# EAGLE board Mk4 Final a Panel score 2x5 (EAGLE 9.0.1), part 4 of 29 (continued)
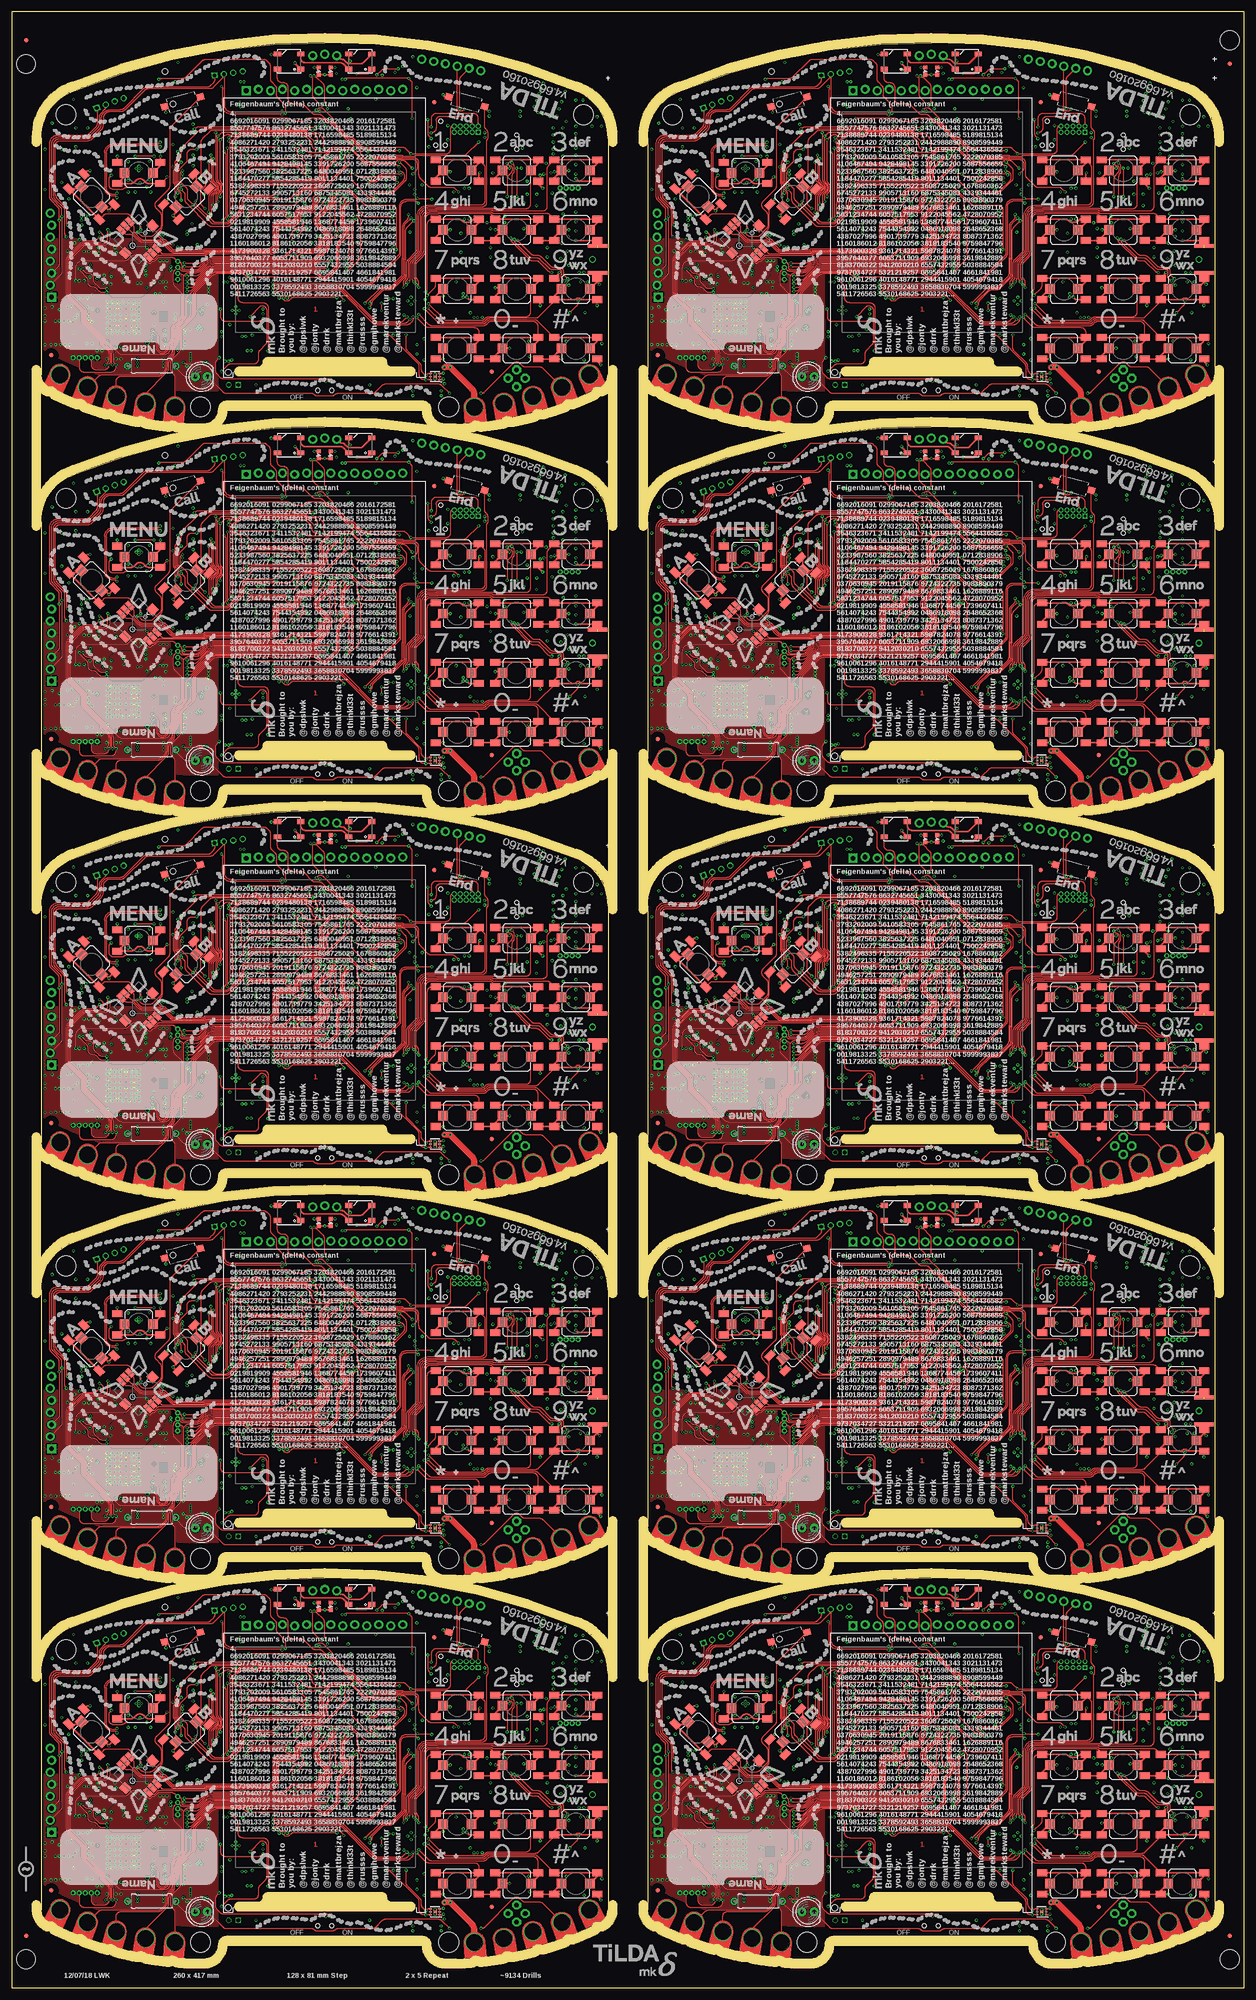
[diagram p0: board, top side]
## Placement (x,y rotation side) (continued)
S15  SKPMAPE010  [SKPMAPE010-COMBINED]  36.8,54 45 top
S16  3X6X2.5  [TACTILE_SWITCH_SMD_3X6X2.5H]  36,74 15 top
S17  3X6X2.5  [TACTILE_SWITCH_SMD_3X6X2.5H]  96,74 345 top
S18  CUS-12TB  [SWITCH-SPST-SMD-A]  66,13.1 180 bottom
S19  3X6X2.5  [TACTILE_SWITCH_SMD_3X6X2.5H]  78,14.25 180 bottom
S20  3X6X2.5  [TACTILE_SWITCH_SMD_3X6X2.5H]  54,14.25 180 bottom
S21  SKPMAPE010  [SKPMAPE010-COMBINED]  222,59.5 0 top
S22  AYZ0202AGRLC  [AYZ-JS-COMBINED]  106.5,65.5 90 bottom
S23  SKPMAPE010  [SKPMAPE010-COMBINED]  222,47 0 top
S24  SKPMAPE010  [SKPMAPE010-COMBINED]  222,34.5 0 top
S25  SKPMAPE010  [SKPMAPE010-COMBINED]  222,22 0 top
S26  SKPMAPE010  [SKPMAPE010-COMBINED]  234.5,59.5 0 top
S27  SKPMAPE010  [SKPMAPE010-COMBINED]  234.5,47 0 top
S28  SKPMAPE010  [SKPMAPE010-COMBINED]  234.5,34.5 0 top
S29  SKPMAPE010  [SKPMAPE010-COMBINED]  234.5,22 0 top
S30  SKPMAPE010  [SKPMAPE010-COMBINED]  247,59.5 0 top
S31  SKPMAPE010  [SKPMAPE010-COMBINED]  247,47 0 top
S32  SKPMAPE010  [SKPMAPE010-COMBINED]  247,34.5 180 top
S33  SKPMAPE010  [SKPMAPE010-COMBINED]  247,22 0 top
S34  SKPMAPE010  [SKPMAPE010-COMBINED]  164.8,54 45 top
S35  SKPMAPE010  [SKPMAPE010-COMBINED]  144.8,54 135 top
S36  SKPMAPE010  [SKPMAPE010-COMBINED]  154.8,59 180 top
S37  3X6X2.5  [TACTILE_SWITCH_SMD_3X6X2.5H]  164,74 15 top
S38  3X6X2.5  [TACTILE_SWITCH_SMD_3X6X2.5H]  224,74 345 top
S39  CUS-12TB  [SWITCH-SPST-SMD-A]  194,13.1 180 bottom
S40  3X6X2.5  [TACTILE_SWITCH_SMD_3X6X2.5H]  206,14.25 180 bottom
S41  3X6X2.5  [TACTILE_SWITCH_SMD_3X6X2.5H]  182,14.25 180 bottom
S42  AYZ0202AGRLC  [AYZ-JS-COMBINED]  234.5,65.5 90 bottom
S43  SKPMAPE010  [SKPMAPE010-COMBINED]  94,140.5 0 top
S44  SKPMAPE010  [SKPMAPE010-COMBINED]  94,128 0 top
S45  SKPMAPE010  [SKPMAPE010-COMBINED]  94,115.5 0 top
S46  SKPMAPE010  [SKPMAPE010-COMBINED]  94,103 0 top
S47  SKPMAPE010  [SKPMAPE010-COMBINED]  106.5,140.5 0 top
S48  SKPMAPE010  [SKPMAPE010-COMBINED]  106.5,128 0 top
S49  SKPMAPE010  [SKPMAPE010-COMBINED]  106.5,115.5 0 top
S50  SKPMAPE010  [SKPMAPE010-COMBINED]  106.5,103 0 top
S51  SKPMAPE010  [SKPMAPE010-COMBINED]  119,140.5 0 top
S52  SKPMAPE010  [SKPMAPE010-COMBINED]  119,128 0 top
S53  SKPMAPE010  [SKPMAPE010-COMBINED]  119,115.5 180 top
S54  SKPMAPE010  [SKPMAPE010-COMBINED]  119,103 0 top
S55  SKPMAPE010  [SKPMAPE010-COMBINED]  36.8,135 45 top
S56  SKPMAPE010  [SKPMAPE010-COMBINED]  16.8,135 135 top
S57  SKPMAPE010  [SKPMAPE010-COMBINED]  26.8,140 180 top
S58  3X6X2.5  [TACTILE_SWITCH_SMD_3X6X2.5H]  36,155 15 top
S59  3X6X2.5  [TACTILE_SWITCH_SMD_3X6X2.5H]  96,155 345 top
S60  CUS-12TB  [SWITCH-SPST-SMD-A]  66,94.1 180 bottom
S61  3X6X2.5  [TACTILE_SWITCH_SMD_3X6X2.5H]  78,95.25 180 bottom
S62  3X6X2.5  [TACTILE_SWITCH_SMD_3X6X2.5H]  54,95.25 180 bottom
S63  AYZ0202AGRLC  [AYZ-JS-COMBINED]  106.5,146.5 90 bottom
S64  SKPMAPE010  [SKPMAPE010-COMBINED]  222,140.5 0 top
S65  SKPMAPE010  [SKPMAPE010-COMBINED]  222,128 0 top
S66  SKPMAPE010  [SKPMAPE010-COMBINED]  222,115.5 0 top
S67  SKPMAPE010  [SKPMAPE010-COMBINED]  222,103 0 top
S68  SKPMAPE010  [SKPMAPE010-COMBINED]  234.5,140.5 0 top
S69  SKPMAPE010  [SKPMAPE010-COMBINED]  234.5,128 0 top
S70  SKPMAPE010  [SKPMAPE010-COMBINED]  234.5,115.5 0 top
S71  SKPMAPE010  [SKPMAPE010-COMBINED]  234.5,103 0 top
S72  SKPMAPE010  [SKPMAPE010-COMBINED]  247,140.5 0 top
S73  SKPMAPE010  [SKPMAPE010-COMBINED]  247,128 0 top
S74  SKPMAPE010  [SKPMAPE010-COMBINED]  247,115.5 180 top
S75  SKPMAPE010  [SKPMAPE010-COMBINED]  247,103 0 top
S76  SKPMAPE010  [SKPMAPE010-COMBINED]  164.8,135 45 top
S77  SKPMAPE010  [SKPMAPE010-COMBINED]  144.8,135 135 top
S78  SKPMAPE010  [SKPMAPE010-COMBINED]  154.8,140 180 top
S79  3X6X2.5  [TACTILE_SWITCH_SMD_3X6X2.5H]  164,155 15 top
S80  3X6X2.5  [TACTILE_SWITCH_SMD_3X6X2.5H]  224,155 345 top
S81  CUS-12TB  [SWITCH-SPST-SMD-A]  194,94.1 180 bottom
S82  3X6X2.5  [TACTILE_SWITCH_SMD_3X6X2.5H]  206,95.25 180 bottom
S83  3X6X2.5  [TACTILE_SWITCH_SMD_3X6X2.5H]  182,95.25 180 bottom
S84  AYZ0202AGRLC  [AYZ-JS-COMBINED]  234.5,146.5 90 bottom
S85  SKPMAPE010  [SKPMAPE010-COMBINED]  94,221.5 0 top
S86  SKPMAPE010  [SKPMAPE010-COMBINED]  94,209 0 top
S87  SKPMAPE010  [SKPMAPE010-COMBINED]  94,196.5 0 top
S88  SKPMAPE010  [SKPMAPE010-COMBINED]  94,184 0 top
S89  SKPMAPE010  [SKPMAPE010-COMBINED]  106.5,221.5 0 top
S90  SKPMAPE010  [SKPMAPE010-COMBINED]  106.5,209 0 top
S91  SKPMAPE010  [SKPMAPE010-COMBINED]  106.5,196.5 0 top
S92  SKPMAPE010  [SKPMAPE010-COMBINED]  106.5,184 0 top
S93  SKPMAPE010  [SKPMAPE010-COMBINED]  119,221.5 0 top
S94  SKPMAPE010  [SKPMAPE010-COMBINED]  119,209 0 top
S95  SKPMAPE010  [SKPMAPE010-COMBINED]  119,196.5 180 top
S96  SKPMAPE010  [SKPMAPE010-COMBINED]  119,184 0 top
S97  SKPMAPE010  [SKPMAPE010-COMBINED]  36.8,216 45 top
S98  SKPMAPE010  [SKPMAPE010-COMBINED]  16.8,216 135 top
S99  SKPMAPE010  [SKPMAPE010-COMBINED]  26.8,221 180 top
S100  3X6X2.5  [TACTILE_SWITCH_SMD_3X6X2.5H]  36,236 15 top
S101  3X6X2.5  [TACTILE_SWITCH_SMD_3X6X2.5H]  96,236 345 top
S102  CUS-12TB  [SWITCH-SPST-SMD-A]  66,175.1 180 bottom
S103  3X6X2.5  [TACTILE_SWITCH_SMD_3X6X2.5H]  78,176.25 180 bottom
S104  3X6X2.5  [TACTILE_SWITCH_SMD_3X6X2.5H]  54,176.25 180 bottom
S105  AYZ0202AGRLC  [AYZ-JS-COMBINED]  106.5,227.5 90 bottom
S106  SKPMAPE010  [SKPMAPE010-COMBINED]  222,221.5 0 top
S107  SKPMAPE010  [SKPMAPE010-COMBINED]  222,209 0 top
S108  SKPMAPE010  [SKPMAPE010-COMBINED]  222,196.5 0 top
S109  SKPMAPE010  [SKPMAPE010-COMBINED]  222,184 0 top
S110  SKPMAPE010  [SKPMAPE010-COMBINED]  234.5,221.5 0 top
S111  SKPMAPE010  [SKPMAPE010-COMBINED]  234.5,209 0 top
S112  SKPMAPE010  [SKPMAPE010-COMBINED]  234.5,196.5 0 top
S113  SKPMAPE010  [SKPMAPE010-COMBINED]  234.5,184 0 top
S114  SKPMAPE010  [SKPMAPE010-COMBINED]  247,221.5 0 top
S115  SKPMAPE010  [SKPMAPE010-COMBINED]  247,209 0 top
S116  SKPMAPE010  [SKPMAPE010-COMBINED]  247,196.5 180 top
S117  SKPMAPE010  [SKPMAPE010-COMBINED]  247,184 0 top
S118  SKPMAPE010  [SKPMAPE010-COMBINED]  164.8,216 45 top
S119  SKPMAPE010  [SKPMAPE010-COMBINED]  144.8,216 135 top
S120  SKPMAPE010  [SKPMAPE010-COMBINED]  154.8,221 180 top
S121  3X6X2.5  [TACTILE_SWITCH_SMD_3X6X2.5H]  164,236 15 top
S122  3X6X2.5  [TACTILE_SWITCH_SMD_3X6X2.5H]  224,236 345 top
S123  CUS-12TB  [SWITCH-SPST-SMD-A]  194,175.1 180 bottom
S124  3X6X2.5  [TACTILE_SWITCH_SMD_3X6X2.5H]  206,176.25 180 bottom
S125  3X6X2.5  [TACTILE_SWITCH_SMD_3X6X2.5H]  182,176.25 180 bottom
S126  AYZ0202AGRLC  [AYZ-JS-COMBINED]  234.5,227.5 90 bottom
S127  SKPMAPE010  [SKPMAPE010-COMBINED]  94,302.5 0 top
S128  SKPMAPE010  [SKPMAPE010-COMBINED]  94,290 0 top
S129  SKPMAPE010  [SKPMAPE010-COMBINED]  94,277.5 0 top
S130  SKPMAPE010  [SKPMAPE010-COMBINED]  94,265 0 top
S131  SKPMAPE010  [SKPMAPE010-COMBINED]  106.5,302.5 0 top
S132  SKPMAPE010  [SKPMAPE010-COMBINED]  106.5,290 0 top
S133  SKPMAPE010  [SKPMAPE010-COMBINED]  106.5,277.5 0 top
S134  SKPMAPE010  [SKPMAPE010-COMBINED]  106.5,265 0 top
S135  SKPMAPE010  [SKPMAPE010-COMBINED]  119,302.5 0 top
S136  SKPMAPE010  [SKPMAPE010-COMBINED]  119,290 0 top
S137  SKPMAPE010  [SKPMAPE010-COMBINED]  119,277.5 180 top
S138  SKPMAPE010  [SKPMAPE010-COMBINED]  119,265 0 top
S139  SKPMAPE010  [SKPMAPE010-COMBINED]  36.8,297 45 top
S140  SKPMAPE010  [SKPMAPE010-COMBINED]  16.8,297 135 top
S141  SKPMAPE010  [SKPMAPE010-COMBINED]  26.8,302 180 top
S142  3X6X2.5  [TACTILE_SWITCH_SMD_3X6X2.5H]  36,317 15 top
S143  3X6X2.5  [TACTILE_SWITCH_SMD_3X6X2.5H]  96,317 345 top
S144  CUS-12TB  [SWITCH-SPST-SMD-A]  66,256.1 180 bottom
S145  3X6X2.5  [TACTILE_SWITCH_SMD_3X6X2.5H]  78,257.25 180 bottom
S146  3X6X2.5  [TACTILE_SWITCH_SMD_3X6X2.5H]  54,257.25 180 bottom
S147  AYZ0202AGRLC  [AYZ-JS-COMBINED]  106.5,308.5 90 bottom
S148  SKPMAPE010  [SKPMAPE010-COMBINED]  222,302.5 0 top
S149  SKPMAPE010  [SKPMAPE010-COMBINED]  222,290 0 top
S150  SKPMAPE010  [SKPMAPE010-COMBINED]  222,277.5 0 top
S151  SKPMAPE010  [SKPMAPE010-COMBINED]  222,265 0 top
S152  SKPMAPE010  [SKPMAPE010-COMBINED]  234.5,302.5 0 top
S153  SKPMAPE010  [SKPMAPE010-COMBINED]  234.5,290 0 top
S154  SKPMAPE010  [SKPMAPE010-COMBINED]  234.5,277.5 0 top
S155  SKPMAPE010  [SKPMAPE010-COMBINED]  234.5,265 0 top
S156  SKPMAPE010  [SKPMAPE010-COMBINED]  247,302.5 0 top
S157  SKPMAPE010  [SKPMAPE010-COMBINED]  247,290 0 top
S158  SKPMAPE010  [SKPMAPE010-COMBINED]  247,277.5 180 top
S159  SKPMAPE010  [SKPMAPE010-COMBINED]  247,265 0 top
S160  SKPMAPE010  [SKPMAPE010-COMBINED]  164.8,297 45 top
S161  SKPMAPE010  [SKPMAPE010-COMBINED]  144.8,297 135 top
S162  SKPMAPE010  [SKPMAPE010-COMBINED]  154.8,302 180 top
S163  3X6X2.5  [TACTILE_SWITCH_SMD_3X6X2.5H]  164,317 15 top
S164  3X6X2.5  [TACTILE_SWITCH_SMD_3X6X2.5H]  224,317 345 top
S165  CUS-12TB  [SWITCH-SPST-SMD-A]  194,256.1 180 bottom
S166  3X6X2.5  [TACTILE_SWITCH_SMD_3X6X2.5H]  206,257.25 180 bottom
S167  3X6X2.5  [TACTILE_SWITCH_SMD_3X6X2.5H]  182,257.25 180 bottom
S168  AYZ0202AGRLC  [AYZ-JS-COMBINED]  234.5,308.5 90 bottom
S169  SKPMAPE010  [SKPMAPE010-COMBINED]  94,383.5 0 top
S170  SKPMAPE010  [SKPMAPE010-COMBINED]  94,371 0 top
S171  SKPMAPE010  [SKPMAPE010-COMBINED]  94,358.5 0 top
S172  SKPMAPE010  [SKPMAPE010-COMBINED]  94,346 0 top
S173  SKPMAPE010  [SKPMAPE010-COMBINED]  106.5,383.5 0 top
S174  SKPMAPE010  [SKPMAPE010-COMBINED]  106.5,371 0 top
S175  SKPMAPE010  [SKPMAPE010-COMBINED]  106.5,358.5 0 top
S176  SKPMAPE010  [SKPMAPE010-COMBINED]  106.5,346 0 top
S177  SKPMAPE010  [SKPMAPE010-COMBINED]  119,383.5 0 top
S178  SKPMAPE010  [SKPMAPE010-COMBINED]  119,371 0 top
S179  SKPMAPE010  [SKPMAPE010-COMBINED]  119,358.5 180 top
S180  SKPMAPE010  [SKPMAPE010-COMBINED]  119,346 0 top
S181  SKPMAPE010  [SKPMAPE010-COMBINED]  36.8,378 45 top
S182  SKPMAPE010  [SKPMAPE010-COMBINED]  16.8,378 135 top
S183  SKPMAPE010  [SKPMAPE010-COMBINED]  26.8,383 180 top
S184  3X6X2.5  [TACTILE_SWITCH_SMD_3X6X2.5H]  36,398 15 top
S185  3X6X2.5  [TACTILE_SWITCH_SMD_3X6X2.5H]  96,398 345 top
S186  CUS-12TB  [SWITCH-SPST-SMD-A]  66,337.1 180 bottom
S187  3X6X2.5  [TACTILE_SWITCH_SMD_3X6X2.5H]  78,338.25 180 bottom
S188  3X6X2.5  [TACTILE_SWITCH_SMD_3X6X2.5H]  54,338.25 180 bottom
S189  AYZ0202AGRLC  [AYZ-JS-COMBINED]  106.5,389.5 90 bottom
S190  SKPMAPE010  [SKPMAPE010-COMBINED]  222,383.5 0 top
S191  SKPMAPE010  [SKPMAPE010-COMBINED]  222,371 0 top
S192  SKPMAPE010  [SKPMAPE010-COMBINED]  222,358.5 0 top
S193  SKPMAPE010  [SKPMAPE010-COMBINED]  222,346 0 top
S194  SKPMAPE010  [SKPMAPE010-COMBINED]  234.5,383.5 0 top
S195  SKPMAPE010  [SKPMAPE010-COMBINED]  234.5,371 0 top
S196  SKPMAPE010  [SKPMAPE010-COMBINED]  234.5,358.5 0 top
S197  SKPMAPE010  [SKPMAPE010-COMBINED]  234.5,346 0 top
S198  SKPMAPE010  [SKPMAPE010-COMBINED]  247,383.5 0 top
S199  SKPMAPE010  [SKPMAPE010-COMBINED]  247,371 0 top
S200  SKPMAPE010  [SKPMAPE010-COMBINED]  247,358.5 180 top
S201  SKPMAPE010  [SKPMAPE010-COMBINED]  247,346 0 top
S202  SKPMAPE010  [SKPMAPE010-COMBINED]  164.8,378 45 top
S203  SKPMAPE010  [SKPMAPE010-COMBINED]  144.8,378 135 top
S204  SKPMAPE010  [SKPMAPE010-COMBINED]  154.8,383 180 top
S205  3X6X2.5  [TACTILE_SWITCH_SMD_3X6X2.5H]  164,398 15 top
S206  3X6X2.5  [TACTILE_SWITCH_SMD_3X6X2.5H]  224,398 345 top
S207  CUS-12TB  [SWITCH-SPST-SMD-A]  194,337.1 180 bottom
S208  3X6X2.5  [TACTILE_SWITCH_SMD_3X6X2.5H]  206,338.25 180 bottom
S209  3X6X2.5  [TACTILE_SWITCH_SMD_3X6X2.5H]  182,338.25 180 bottom
S210  AYZ0202AGRLC  [AYZ-JS-COMBINED]  234.5,389.5 90 bottom
SW1  JOYSTICK  [JOYSTICK_MULTICOMP_NOSILK]  26.8,45 315 top
SW2  JOYSTICK  [JOYSTICK_MULTICOMP_NOSILK]  154.8,45 315 top
SW3  JOYSTICK  [JOYSTICK_MULTICOMP_NOSILK]  26.8,126 315 top
SW4  JOYSTICK  [JOYSTICK_MULTICOMP_NOSILK]  154.8,126 315 top
SW5  JOYSTICK  [JOYSTICK_MULTICOMP_NOSILK]  26.8,207 315 top
SW6  JOYSTICK  [JOYSTICK_MULTICOMP_NOSILK]  154.8,207 315 top
SW7  JOYSTICK  [JOYSTICK_MULTICOMP_NOSILK]  26.8,288 315 top
SW8  JOYSTICK  [JOYSTICK_MULTICOMP_NOSILK]  154.8,288 315 top
SW9  JOYSTICK  [JOYSTICK_MULTICOMP_NOSILK]  26.8,369 315 top
SW10  JOYSTICK  [JOYSTICK_MULTICOMP_NOSILK]  154.8,369 315 top
TP1  TP  [B1,27]  58.4,66.7 0 bottom
TP2  TP  [B1,27]  94,47.5 0 bottom
TP3  TP  [B1,27]  93.5,45.75 0 bottom
TP4  TP  [B1,27]  92.25,44.5 0 bottom
TP5  TP  [B1,27]  93.75,43.25 0 bottom
TP6  TP  [B1,27]  84,82 270 bottom
TP7  TP  [B1,27]  69.75,80 0 bottom
TP8  TP  [B1,27]  93.75,41.25 0 bottom
TP9  TP  [B1,27]  93.75,39.25 0 bottom
TP10  TP  [B1,27]  94,49.25 0 bottom
TP11  TP  [B1,27]  92,38.5 0 bottom
TP12  TP  [B1,27]  92.5,36.75 0 bottom
TP13  TP  [B1,27]  92.5,35 0 bottom
TP14  TP  [B1,27]  50,23 0 bottom
TP15  TP  [B1,27]  48,19.5 0 bottom
TP16  TP  [B1,27]  39.5,28 0 bottom
TP17  TP  [B1,27]  37.75,28 0 bottom
TP18  TP  [B1,27]  52,21.5 0 bottom
TP19  TP  [P1-06-OCT-CAN]  28.6,23.2 0 bottom
TP20  TP  [B1,27]  186.4,66.7 0 bottom
TP21  TP  [B1,27]  222,47.5 0 bottom
TP22  TP  [B1,27]  221.5,45.75 0 bottom
TP23  TP  [B1,27]  220.25,44.5 0 bottom
TP24  TP  [B1,27]  221.75,43.25 0 bottom
TP25  TP  [B1,27]  212,82 270 bottom
TP26  TP  [B1,27]  197.75,80 0 bottom
TP27  TP  [B1,27]  221.75,41.25 0 bottom
TP28  TP  [B1,27]  221.75,39.25 0 bottom
TP29  TP  [B1,27]  222,49.25 0 bottom
TP30  TP  [B1,27]  220,38.5 0 bottom
TP31  TP  [B1,27]  220.5,36.75 0 bottom
TP32  TP  [B1,27]  220.5,35 0 bottom
TP33  TP  [B1,27]  178,23 0 bottom
TP34  TP  [B1,27]  176,19.5 0 bottom
TP35  TP  [B1,27]  167.5,28 0 bottom
TP36  TP  [B1,27]  165.75,28 0 bottom
TP37  TP  [B1,27]  180,21.5 0 bottom
TP38  TP  [P1-06-OCT-CAN]  156.6,23.2 0 bottom
TP39  TP  [B1,27]  58.4,147.7 0 bottom
TP40  TP  [B1,27]  94,128.5 0 bottom
TP41  TP  [B1,27]  93.5,126.75 0 bottom
TP42  TP  [B1,27]  92.25,125.5 0 bottom
TP43  TP  [B1,27]  93.75,124.25 0 bottom
TP44  TP  [B1,27]  84,163 270 bottom
TP45  TP  [B1,27]  69.75,161 0 bottom
TP46  TP  [B1,27]  93.75,122.25 0 bottom
TP47  TP  [B1,27]  93.75,120.25 0 bottom
TP48  TP  [B1,27]  94,130.25 0 bottom
TP49  TP  [B1,27]  92,119.5 0 bottom
TP50  TP  [B1,27]  92.5,117.75 0 bottom
TP51  TP  [B1,27]  92.5,116 0 bottom
TP52  TP  [B1,27]  50,104 0 bottom
TP53  TP  [B1,27]  48,100.5 0 bottom
TP54  TP  [B1,27]  39.5,109 0 bottom
TP55  TP  [B1,27]  37.75,109 0 bottom
TP56  TP  [B1,27]  52,102.5 0 bottom
TP57  TP  [P1-06-OCT-CAN]  28.6,104.2 0 bottom
TP58  TP  [B1,27]  186.4,147.7 0 bottom
TP59  TP  [B1,27]  222,128.5 0 bottom
TP60  TP  [B1,27]  221.5,126.75 0 bottom
TP61  TP  [B1,27]  220.25,125.5 0 bottom
TP62  TP  [B1,27]  221.75,124.25 0 bottom
TP63  TP  [B1,27]  212,163 270 bottom
TP64  TP  [B1,27]  197.75,161 0 bottom
TP65  TP  [B1,27]  221.75,122.25 0 bottom
TP66  TP  [B1,27]  221.75,120.25 0 bottom
TP67  TP  [B1,27]  222,130.25 0 bottom
TP68  TP  [B1,27]  220,119.5 0 bottom
TP69  TP  [B1,27]  220.5,117.75 0 bottom
TP70  TP  [B1,27]  220.5,116 0 bottom
TP71  TP  [B1,27]  178,104 0 bottom
TP72  TP  [B1,27]  176,100.5 0 bottom
TP73  TP  [B1,27]  167.5,109 0 bottom
TP74  TP  [B1,27]  165.75,109 0 bottom
TP75  TP  [B1,27]  180,102.5 0 bottom
TP76  TP  [P1-06-OCT-CAN]  156.6,104.2 0 bottom
TP77  TP  [B1,27]  58.4,228.7 0 bottom
TP78  TP  [B1,27]  94,209.5 0 bottom
TP79  TP  [B1,27]  93.5,207.75 0 bottom
TP80  TP  [B1,27]  92.25,206.5 0 bottom
TP81  TP  [B1,27]  93.75,205.25 0 bottom
TP82  TP  [B1,27]  84,244 270 bottom
TP83  TP  [B1,27]  69.75,242 0 bottom
TP84  TP  [B1,27]  93.75,203.25 0 bottom
TP85  TP  [B1,27]  93.75,201.25 0 bottom
TP86  TP  [B1,27]  94,211.25 0 bottom
TP87  TP  [B1,27]  92,200.5 0 bottom
TP88  TP  [B1,27]  92.5,198.75 0 bottom
TP89  TP  [B1,27]  92.5,197 0 bottom
TP90  TP  [B1,27]  50,185 0 bottom
TP91  TP  [B1,27]  48,181.5 0 bottom
TP92  TP  [B1,27]  39.5,190 0 bottom
TP93  TP  [B1,27]  37.75,190 0 bottom
TP94  TP  [B1,27]  52,183.5 0 bottom
TP95  TP  [P1-06-OCT-CAN]  28.6,185.2 0 bottom
TP96  TP  [B1,27]  186.4,228.7 0 bottom
TP97  TP  [B1,27]  222,209.5 0 bottom
TP98  TP  [B1,27]  221.5,207.75 0 bottom
TP99  TP  [B1,27]  220.25,206.5 0 bottom
TP100  TP  [B1,27]  221.75,205.25 0 bottom
TP101  TP  [B1,27]  212,244 270 bottom
TP102  TP  [B1,27]  197.75,242 0 bottom
TP103  TP  [B1,27]  221.75,203.25 0 bottom
TP104  TP  [B1,27]  221.75,201.25 0 bottom
TP105  TP  [B1,27]  222,211.25 0 bottom
TP106  TP  [B1,27]  220,200.5 0 bottom
TP107  TP  [B1,27]  220.5,198.75 0 bottom
TP108  TP  [B1,27]  220.5,197 0 bottom
TP109  TP  [B1,27]  178,185 0 bottom
TP110  TP  [B1,27]  176,181.5 0 bottom
TP111  TP  [B1,27]  167.5,190 0 bottom
TP112  TP  [B1,27]  165.75,190 0 bottom
TP113  TP  [B1,27]  180,183.5 0 bottom
TP114  TP  [P1-06-OCT-CAN]  156.6,185.2 0 bottom
TP115  TP  [B1,27]  58.4,309.7 0 bottom
TP116  TP  [B1,27]  94,290.5 0 bottom
TP117  TP  [B1,27]  93.5,288.75 0 bottom
TP118  TP  [B1,27]  92.25,287.5 0 bottom
TP119  TP  [B1,27]  93.75,286.25 0 bottom
TP120  TP  [B1,27]  84,325 270 bottom
TP121  TP  [B1,27]  69.75,323 0 bottom
TP122  TP  [B1,27]  93.75,284.25 0 bottom
TP123  TP  [B1,27]  93.75,282.25 0 bottom
TP124  TP  [B1,27]  94,292.25 0 bottom
TP125  TP  [B1,27]  92,281.5 0 bottom
TP126  TP  [B1,27]  92.5,279.75 0 bottom
TP127  TP  [B1,27]  92.5,278 0 bottom
TP128  TP  [B1,27]  50,266 0 bottom
TP129  TP  [B1,27]  48,262.5 0 bottom
TP130  TP  [B1,27]  39.5,271 0 bottom
TP131  TP  [B1,27]  37.75,271 0 bottom
TP132  TP  [B1,27]  52,264.5 0 bottom
TP133  TP  [P1-06-OCT-CAN]  28.6,266.2 0 bottom
TP134  TP  [B1,27]  186.4,309.7 0 bottom
TP135  TP  [B1,27]  222,290.5 0 bottom
TP136  TP  [B1,27]  221.5,288.75 0 bottom
TP137  TP  [B1,27]  220.25,287.5 0 bottom
TP138  TP  [B1,27]  221.75,286.25 0 bottom
TP139  TP  [B1,27]  212,325 270 bottom
TP140  TP  [B1,27]  197.75,323 0 bottom
TP141  TP  [B1,27]  221.75,284.25 0 bottom
TP142  TP  [B1,27]  221.75,282.25 0 bottom
TP143  TP  [B1,27]  222,292.25 0 bottom
TP144  TP  [B1,27]  220,281.5 0 bottom
TP145  TP  [B1,27]  220.5,279.75 0 bottom
TP146  TP  [B1,27]  220.5,278 0 bottom
TP147  TP  [B1,27]  178,266 0 bottom
TP148  TP  [B1,27]  176,262.5 0 bottom
TP149  TP  [B1,27]  167.5,271 0 bottom
TP150  TP  [B1,27]  165.75,271 0 bottom
TP151  TP  [B1,27]  180,264.5 0 bottom
TP152  TP  [P1-06-OCT-CAN]  156.6,266.2 0 bottom
TP153  TP  [B1,27]  58.4,390.7 0 bottom
TP154  TP  [B1,27]  94,371.5 0 bottom
TP155  TP  [B1,27]  93.5,369.75 0 bottom
TP156  TP  [B1,27]  92.25,368.5 0 bottom
TP157  TP  [B1,27]  93.75,367.25 0 bottom
TP158  TP  [B1,27]  84,406 270 bottom
TP159  TP  [B1,27]  69.75,404 0 bottom
TP160  TP  [B1,27]  93.75,365.25 0 bottom
TP161  TP  [B1,27]  93.75,363.25 0 bottom
TP162  TP  [B1,27]  94,373.25 0 bottom
TP163  TP  [B1,27]  92,362.5 0 bottom
TP164  TP  [B1,27]  92.5,360.75 0 bottom
TP165  TP  [B1,27]  92.5,359 0 bottom
TP166  TP  [B1,27]  50,347 0 bottom
TP167  TP  [B1,27]  48,343.5 0 bottom
TP168  TP  [B1,27]  39.5,352 0 bottom
TP169  TP  [B1,27]  37.75,352 0 bottom
TP170  TP  [B1,27]  52,345.5 0 bottom
TP171  TP  [P1-06-OCT-CAN]  28.6,347.2 0 bottom
TP172  TP  [B1,27]  186.4,390.7 0 bottom
TP173  TP  [B1,27]  222,371.5 0 bottom
TP174  TP  [B1,27]  221.5,369.75 0 bottom
TP175  TP  [B1,27]  220.25,368.5 0 bottom
TP176  TP  [B1,27]  221.75,367.25 0 bottom
TP177  TP  [B1,27]  212,406 270 bottom
TP178  TP  [B1,27]  197.75,404 0 bottom
TP179  TP  [B1,27]  221.75,365.25 0 bottom
TP180  TP  [B1,27]  221.75,363.25 0 bottom
TP181  TP  [B1,27]  222,373.25 0 bottom
TP182  TP  [B1,27]  220,362.5 0 bottom
TP183  TP  [B1,27]  220.5,360.75 0 bottom
TP184  TP  [B1,27]  220.5,359 0 bottom
TP185  TP  [B1,27]  178,347 0 bottom
TP186  TP  [B1,27]  176,343.5 0 bottom
TP187  TP  [B1,27]  167.5,352 0 bottom
TP188  TP  [B1,27]  165.75,352 0 bottom
TP189  TP  [B1,27]  180,345.5 0 bottom
TP190  TP  [P1-06-OCT-CAN]  156.6,347.2 0 bottom
U1  ZX62-B-5PA(33)  [USB-AB-MICRO-SMD_LWK]  76.4,84 274 bottom
U2  ZX62-B-5PA(33)  [USB-AB-MICRO-SMD_LWK]  204.4,84 274 bottom
U3  MIC-6MM  [MIC-SMD-6MM]  229.5,76 270 bottom
U4  MIC-6MM  [MIC-SMD-6MM]  101.5,76 270 bottom
U5  LDMS1540S-01-R8-0.8-R  [SPEAKER-15MM-SMD]  14.25,60.5 270 bottom
U6  LDMS1540S-01-R8-0.8-R  [SPEAKER-15MM-SMD]  142.25,60.5 270 bottom
U7  ZX62-B-5PA(33)  [USB-AB-MICRO-SMD_LWK]  76.4,165 274 bottom
U8  MIC-6MM  [MIC-SMD-6MM]  101.5,157 270 bottom
U9  LDMS1540S-01-R8-0.8-R  [SPEAKER-15MM-SMD]  14.25,141.5 270 bottom
U10  ZX62-B-5PA(33)  [USB-AB-MICRO-SMD_LWK]  204.4,165 274 bottom
U11  MIC-6MM  [MIC-SMD-6MM]  229.5,157 270 bottom
U12  LDMS1540S-01-R8-0.8-R  [SPEAKER-15MM-SMD]  142.25,141.5 270 bottom
U13  ZX62-B-5PA(33)  [USB-AB-MICRO-SMD_LWK]  76.4,246 274 bottom
U14  MIC-6MM  [MIC-SMD-6MM]  101.5,238 270 bottom
U15  LDMS1540S-01-R8-0.8-R  [SPEAKER-15MM-SMD]  14.25,222.5 270 bottom
U16  ZX62-B-5PA(33)  [USB-AB-MICRO-SMD_LWK]  204.4,246 274 bottom
U17  MIC-6MM  [MIC-SMD-6MM]  229.5,238 270 bottom
U18  LDMS1540S-01-R8-0.8-R  [SPEAKER-15MM-SMD]  142.25,222.5 270 bottom
U19  ZX62-B-5PA(33)  [USB-AB-MICRO-SMD_LWK]  76.4,327 274 bottom
U20  MIC-6MM  [MIC-SMD-6MM]  101.5,319 270 bottom
U21  LDMS1540S-01-R8-0.8-R  [SPEAKER-15MM-SMD]  14.25,303.5 270 bottom
U22  ZX62-B-5PA(33)  [USB-AB-MICRO-SMD_LWK]  204.4,327 274 bottom
U23  MIC-6MM  [MIC-SMD-6MM]  229.5,319 270 bottom
U24  LDMS1540S-01-R8-0.8-R  [SPEAKER-15MM-SMD]  142.25,303.5 270 bottom
U25  ZX62-B-5PA(33)  [USB-AB-MICRO-SMD_LWK]  76.4,408 274 bottom
U26  MIC-6MM  [MIC-SMD-6MM]  101.5,400 270 bottom
U27  LDMS1540S-01-R8-0.8-R  [SPEAKER-15MM-SMD]  14.25,384.5 270 bottom
U28  ZX62-B-5PA(33)  [USB-AB-MICRO-SMD_LWK]  204.4,408 274 bottom
U29  MIC-6MM  [MIC-SMD-6MM]  229.5,400 270 bottom
U30  LDMS1540S-01-R8-0.8-R  [SPEAKER-15MM-SMD]  142.25,384.5 270 bottom
X1  ABS07-32.768KHZ-T  [RESONATOR_EPSON_FC_145]  60.4,70.75 180 bottom
X2  ABM8G-25.000MHZ-B4Y-T  [CRYSTAL-3.2-2.5]  68.75,72.55 180 bottom
X3  ABS07-32.768KHZ-T  [RESONATOR_EPSON_FC_145]  32,28.75 90 bottom
X4  ABM8-40.000MHZ-10-1-U-T  [CRYSTAL-3.2-2.5]  14.8,25.25 270 bottom
X5  ABS07-32.768KHZ-T  [RESONATOR_EPSON_FC_145]  188.4,70.75 180 bottom
X6  ABM8G-25.000MHZ-B4Y-T  [CRYSTAL-3.2-2.5]  196.75,72.55 180 bottom
X7  ABS07-32.768KHZ-T  [RESONATOR_EPSON_FC_145]  160,28.75 90 bottom
X8  ABM8-40.000MHZ-10-1-U-T  [CRYSTAL-3.2-2.5]  142.8,25.25 270 bottom
X9  ABS07-32.768KHZ-T  [RESONATOR_EPSON_FC_145]  60.4,151.75 180 bottom
X10  ABM8G-25.000MHZ-B4Y-T  [CRYSTAL-3.2-2.5]  68.75,153.55 180 bottom
X11  ABS07-32.768KHZ-T  [RESONATOR_EPSON_FC_145]  32,109.75 90 bottom
X12  ABM8-40.000MHZ-10-1-U-T  [CRYSTAL-3.2-2.5]  14.8,106.25 270 bottom
X13  ABS07-32.768KHZ-T  [RESONATOR_EPSON_FC_145]  188.4,151.75 180 bottom
X14  ABM8G-25.000MHZ-B4Y-T  [CRYSTAL-3.2-2.5]  196.75,153.55 180 bottom
X15  ABS07-32.768KHZ-T  [RESONATOR_EPSON_FC_145]  160,109.75 90 bottom
X16  ABM8-40.000MHZ-10-1-U-T  [CRYSTAL-3.2-2.5]  142.8,106.25 270 bottom
X17  ABS07-32.768KHZ-T  [RESONATOR_EPSON_FC_145]  60.4,232.75 180 bottom
X18  ABM8G-25.000MHZ-B4Y-T  [CRYSTAL-3.2-2.5]  68.75,234.55 180 bottom
X19  ABS07-32.768KHZ-T  [RESONATOR_EPSON_FC_145]  32,190.75 90 bottom
X20  ABM8-40.000MHZ-10-1-U-T  [CRYSTAL-3.2-2.5]  14.8,187.25 270 bottom
X21  ABS07-32.768KHZ-T  [RESONATOR_EPSON_FC_145]  188.4,232.75 180 bottom
X22  ABM8G-25.000MHZ-B4Y-T  [CRYSTAL-3.2-2.5]  196.75,234.55 180 bottom
X23  ABS07-32.768KHZ-T  [RESONATOR_EPSON_FC_145]  160,190.75 90 bottom
X24  ABM8-40.000MHZ-10-1-U-T  [CRYSTAL-3.2-2.5]  142.8,187.25 270 bottom
X25  ABS07-32.768KHZ-T  [RESONATOR_EPSON_FC_145]  60.4,313.75 180 bottom
X26  ABM8G-25.000MHZ-B4Y-T  [CRYSTAL-3.2-2.5]  68.75,315.55 180 bottom
X27  ABS07-32.768KHZ-T  [RESONATOR_EPSON_FC_145]  32,271.75 90 bottom
X28  ABM8-40.000MHZ-10-1-U-T  [CRYSTAL-3.2-2.5]  14.8,268.25 270 bottom
X29  ABS07-32.768KHZ-T  [RESONATOR_EPSON_FC_145]  188.4,313.75 180 bottom
X30  ABM8G-25.000MHZ-B4Y-T  [CRYSTAL-3.2-2.5]  196.75,315.55 180 bottom
X31  ABS07-32.768KHZ-T  [RESONATOR_EPSON_FC_145]  160,271.75 90 bottom
X32  ABM8-40.000MHZ-10-1-U-T  [CRYSTAL-3.2-2.5]  142.8,268.25 270 bottom
X33  ABS07-32.768KHZ-T  [RESONATOR_EPSON_FC_145]  60.4,394.75 180 bottom
X34  ABM8G-25.000MHZ-B4Y-T  [CRYSTAL-3.2-2.5]  68.75,396.55 180 bottom
X35  ABS07-32.768KHZ-T  [RESONATOR_EPSON_FC_145]  32,352.75 90 bottom
X36  ABM8-40.000MHZ-10-1-U-T  [CRYSTAL-3.2-2.5]  14.8,349.25 270 bottom
X37  ABS07-32.768KHZ-T  [RESONATOR_EPSON_FC_145]  188.4,394.75 180 bottom
X38  ABM8G-25.000MHZ-B4Y-T  [CRYSTAL-3.2-2.5]  196.75,396.55 180 bottom
X39  ABS07-32.768KHZ-T  [RESONATOR_EPSON_FC_145]  160,352.75 90 bottom
X40  ABM8-40.000MHZ-10-1-U-T  [CRYSTAL-3.2-2.5]  142.8,349.25 270 bottom